# Altium PCB Magnetic-Sequencer.PcbDoc (part 1 of 3) (continued)
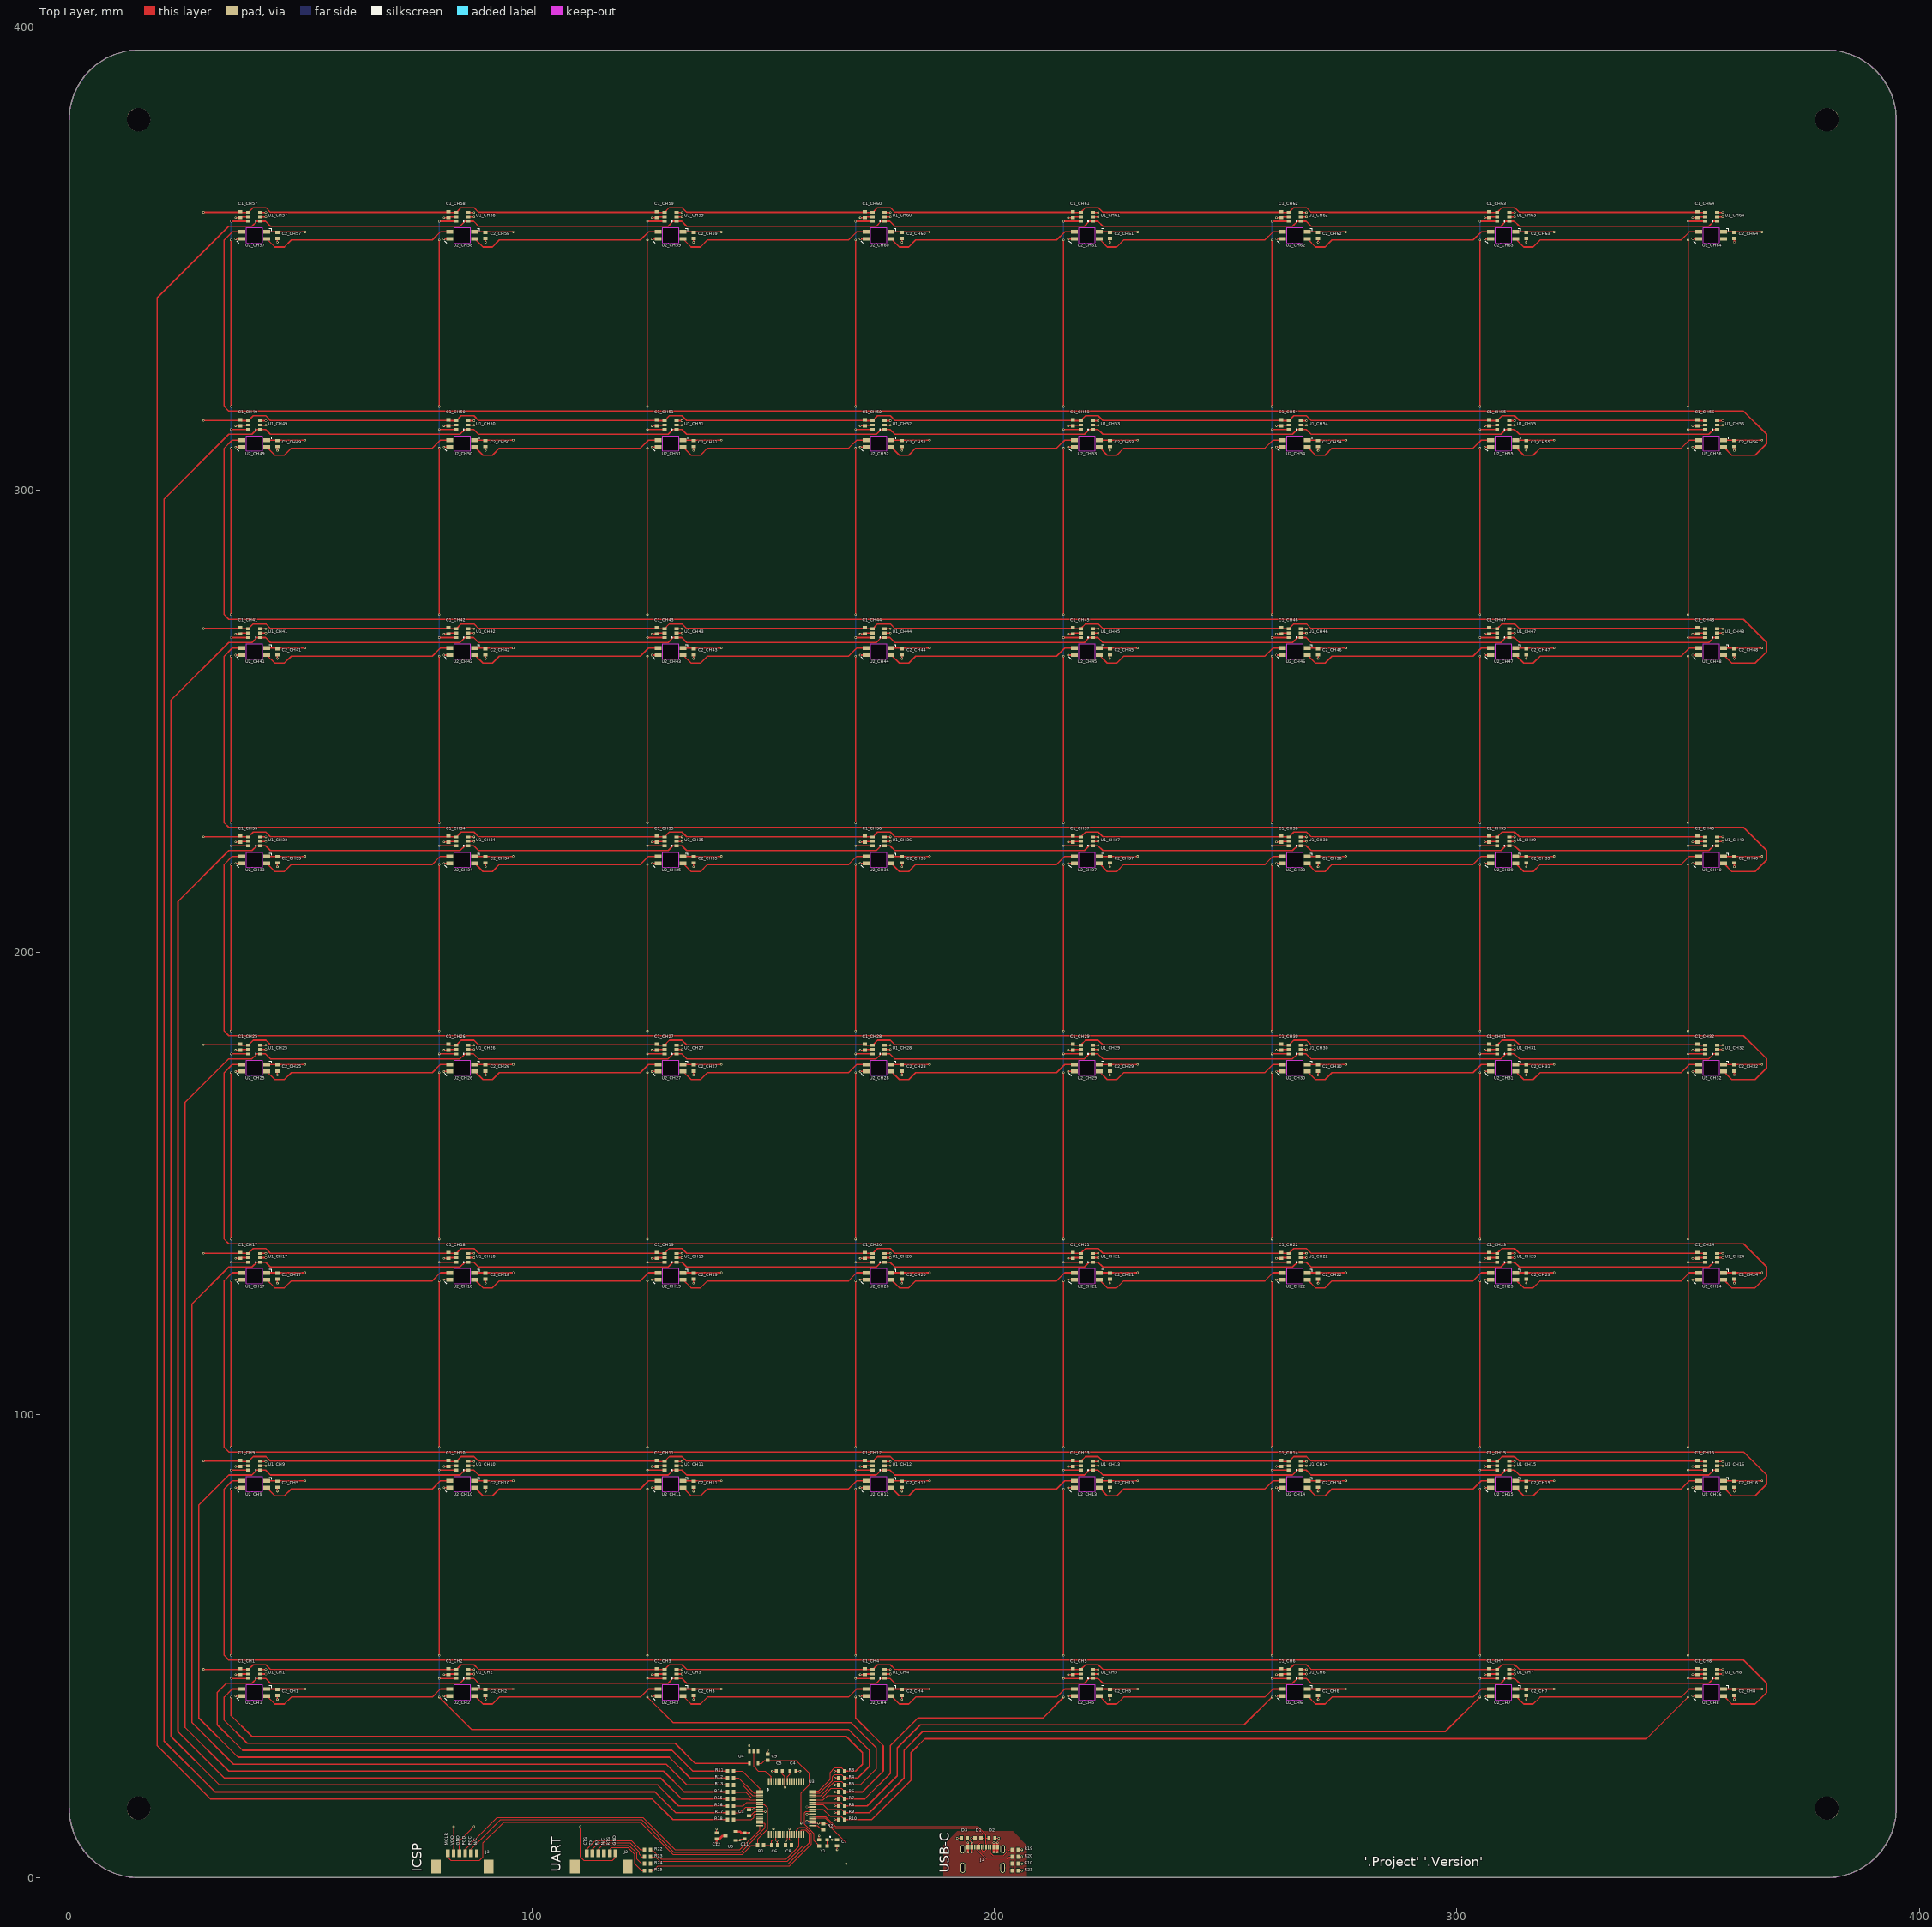
[diagram p0: Top Layer view]
## Design rules (kind name [scope] priority, off if disabled: settings) (continued)
RoomDefinition CH57 [InComponentClass('CH57')] p59: confinementstyle=ConfineIn formatcopy=TRUE lockcomponents=FALSE outline 30,350 70,350 70,390 30,390
RoomDefinition CH58 [InComponentClass('CH58')] p60: confinementstyle=ConfineIn formatcopy=TRUE lockcomponents=FALSE outline 75,350 115,350 115,390 75,390
RoomDefinition CH59 [InComponentClass('CH59')] p61: confinementstyle=ConfineIn formatcopy=TRUE lockcomponents=FALSE outline 120,350 160,350 160,390 120,390
RoomDefinition CH60 [InComponentClass('CH60')] p62: confinementstyle=ConfineIn formatcopy=TRUE lockcomponents=FALSE outline 165,350 205,350 205,390 165,390
RoomDefinition CH61 [InComponentClass('CH61')] p63: confinementstyle=ConfineIn formatcopy=TRUE lockcomponents=FALSE outline 210,350 250,350 250,390 210,390
RoomDefinition CH62 [InComponentClass('CH62')] p64: confinementstyle=ConfineIn formatcopy=TRUE lockcomponents=FALSE outline 255,350 295,350 295,390 255,390
RoomDefinition CH63 [InComponentClass('CH63')] p65: confinementstyle=ConfineIn formatcopy=TRUE lockcomponents=FALSE outline 300,350 340,350 340,390 300,390
RoomDefinition CH64 [InComponentClass('CH64')] p66: confinementstyle=ConfineIn formatcopy=TRUE lockcomponents=FALSE outline 345,350 385,350 385,390 345,390
RoomDefinition UART [InComponentClass('UART')] p67: confinementstyle=ConfineIn formatcopy=TRUE lockcomponents=FALSE outline 107.919,0 107.919,6.41 123.644,6.41 123.644,6.806 126.356,6.806 126.356,0.694 122.081,0.694 122.081,0
RoomDefinition ICSP [InComponentClass('ICSP')] p68: confinementstyle=ConfineIn formatcopy=TRUE lockcomponents=FALSE outline 77.919,0 77.919,6.41 92.081,6.41 92.081,0
RoomDefinition USB-C [InComponentClass('USB-C')] p69: confinementstyle=ConfineIn formatcopy=TRUE lockcomponents=FALSE outline 192.144,7.694 192.144,9.306 200.856,9.306 200.856,7.481 202.676,7.481 202.676,6.806 205.856,6.806 205.856,0.694 202.676,0.694 202.676,-0.254 192.324,-0.254 192.324,7.694
RoutingVias [All] p1: holewidth=0.3 width=0.5 viastyle="Through Hole" minholewidth=0.3 minwidth=0.5 maxholewidth=0.711 maxwidth=1.27
SilkToSolderMaskClearance [IsPad] p1: minsilkscreentomaskgap=0.15 clearancetoexposedcopper=TRUE
SolderMaskExpansion [All] p1: expansion=0.102 istentingtop=FALSE
Width [All] p1: maxlimit=3 minlimit=0.15 preferedwidth=0.15
25 further rules are at their usual default settings.

## Classes and differential pairs
channel class Dial: CH1 CH2 CH3 CH4 CH5 CH6 CH7 CH8 CH9 CH10 CH11 CH12 CH13 CH14 CH15 CH16 CH17 CH18 CH19 CH20 CH21 CH22 CH23 CH24 CH25 CH26 CH27 CH28 CH29 CH30 CH31 CH32 CH33 CH34 CH35 CH36 CH37 CH38 CH39 CH40 CH41 CH42 CH43 CH44 CH45 CH46 CH47 CH48 CH49 CH50 CH51 CH52 CH53 CH54 CH55 CH56 CH57 CH58 CH59 CH60 CH61 CH62 CH63 CH64
net class SDA[0..7]: SDA0 SDA1 SDA2 SDA3 SDA4 SDA5 SDA6 SDA7
net class SCL[0..7]: SCL0 SCL1 SCL2 SCL3 SCL4 SCL5 SCL6 SCL7
component class "3.3V Regulator": C11 C12 U5
component class USB-C: C10 D1 D2 D3 J1 R19 R20 R21
component class UART: J2 R22 R23 R24 R25
component class PIC32MX: C3 C4 C5 C6 C7 C8 C9 R1 R2 R3 R4 R5 R6 R7 R8 R9 R10 R11 R12 R13 R14 R15 R16 R17 R18 U3 U4 Y1
component class ICSP: J3
component class CH64: C1_CH64 C2_CH64 U1_CH64 U2_CH64
component class CH63: C1_CH63 C2_CH63 U1_CH63 U2_CH63
component class CH62: C1_CH62 C2_CH62 U1_CH62 U2_CH62
component class CH61: C1_CH61 C2_CH61 U1_CH61 U2_CH61
component class CH60: C1_CH60 C2_CH60 U1_CH60 U2_CH60
component class CH59: C1_CH59 C2_CH59 U1_CH59 U2_CH59
component class CH58: C1_CH58 C2_CH58 U1_CH58 U2_CH58
component class CH57: C1_CH57 C2_CH57 U1_CH57 U2_CH57
component class CH56: C1_CH56 C2_CH56 U1_CH56 U2_CH56
component class CH55: C1_CH55 C2_CH55 U1_CH55 U2_CH55
component class CH54: C1_CH54 C2_CH54 U1_CH54 U2_CH54
component class CH53: C1_CH53 C2_CH53 U1_CH53 U2_CH53
component class CH52: C1_CH52 C2_CH52 U1_CH52 U2_CH52
component class CH51: C1_CH51 C2_CH51 U1_CH51 U2_CH51
component class CH50: C1_CH50 C2_CH50 U1_CH50 U2_CH50
component class CH49: C1_CH49 C2_CH49 U1_CH49 U2_CH49
component class CH48: C1_CH48 C2_CH48 U1_CH48 U2_CH48
component class CH47: C1_CH47 C2_CH47 U1_CH47 U2_CH47
component class CH46: C1_CH46 C2_CH46 U1_CH46 U2_CH46
component class CH45: C1_CH45 C2_CH45 U1_CH45 U2_CH45
component class CH44: C1_CH44 C2_CH44 U1_CH44 U2_CH44
component class CH43: C1_CH43 C2_CH43 U1_CH43 U2_CH43
component class CH42: C1_CH42 C2_CH42 U1_CH42 U2_CH42
component class CH41: C1_CH41 C2_CH41 U1_CH41 U2_CH41
component class CH40: C1_CH40 C2_CH40 U1_CH40 U2_CH40
component class CH39: C1_CH39 C2_CH39 U1_CH39 U2_CH39
component class CH38: C1_CH38 C2_CH38 U1_CH38 U2_CH38
component class CH37: C1_CH37 C2_CH37 U1_CH37 U2_CH37
component class CH36: C1_CH36 C2_CH36 U1_CH36 U2_CH36
component class CH35: C1_CH35 C2_CH35 U1_CH35 U2_CH35
component class CH34: C1_CH34 C2_CH34 U1_CH34 U2_CH34
component class CH33: C1_CH33 C2_CH33 U1_CH33 U2_CH33
component class CH32: C1_CH32 C2_CH32 U1_CH32 U2_CH32
component class CH31: C1_CH31 C2_CH31 U1_CH31 U2_CH31
component class CH30: C1_CH30 C2_CH30 U1_CH30 U2_CH30
component class CH29: C1_CH29 C2_CH29 U1_CH29 U2_CH29
component class CH28: C1_CH28 C2_CH28 U1_CH28 U2_CH28
component class CH27: C1_CH27 C2_CH27 U1_CH27 U2_CH27
component class CH26: C1_CH26 C2_CH26 U1_CH26 U2_CH26
component class CH25: C1_CH25 C2_CH25 U1_CH25 U2_CH25
component class CH24: C1_CH24 C2_CH24 U1_CH24 U2_CH24
component class CH23: C1_CH23 C2_CH23 U1_CH23 U2_CH23
component class CH22: C1_CH22 C2_CH22 U1_CH22 U2_CH22
component class CH21: C1_CH21 C2_CH21 U1_CH21 U2_CH21
component class CH20: C1_CH20 C2_CH20 U1_CH20 U2_CH20
component class CH19: C1_CH19 C2_CH19 U1_CH19 U2_CH19
component class CH18: C1_CH18 C2_CH18 U1_CH18 U2_CH18
component class CH17: C1_CH17 C2_CH17 U1_CH17 U2_CH17
component class CH16: C1_CH16 C2_CH16 U1_CH16 U2_CH16
component class CH15: C1_CH15 C2_CH15 U1_CH15 U2_CH15
component class CH14: C1_CH14 C2_CH14 U1_CH14 U2_CH14
component class CH13: C1_CH13 C2_CH13 U1_CH13 U2_CH13
component class CH12: C1_CH12 C2_CH12 U1_CH12 U2_CH12
component class CH11: C1_CH11 C2_CH11 U1_CH11 U2_CH11
component class CH10: C1_CH10 C2_CH10 U1_CH10 U2_CH10
component class CH9: C1_CH9 C2_CH9 U1_CH9 U2_CH9
component class CH8: C1_CH8 C2_CH8 U1_CH8 U2_CH8
component class CH7: C1_CH7 C2_CH7 U1_CH7 U2_CH7
component class CH6: C1_CH6 C2_CH6 U1_CH6 U2_CH6
component class CH5: C1_CH5 C2_CH5 U1_CH5 U2_CH5
component class CH4: C1_CH4 C2_CH4 U1_CH4 U2_CH4
component class CH3: C1_CH3 C2_CH3 U1_CH3 U2_CH3
component class CH2: C1_CH2 C2_CH2 U1_CH2 U2_CH2
component class CH1: C1_CH1 C2_CH1 U1_CH1 U2_CH1
differential pair D: +D_P -D_N

## Components (designator, comment, footprint, x,y, rotation, side; value= is the part's Value field where it differs from the comment)
C1_CH1 "100nF" "Capacitor 0603" 37,44.5 r90 top (schematic designator C1)
C1_CH2 "100nF" "Capacitor 0603" 82,44.5 r90 top (schematic designator C1)
C1_CH3 "100nF" "Capacitor 0603" 127,44.5 r90 top (schematic designator C1)
C1_CH4 "100nF" "Capacitor 0603" 172,44.5 r90 top (schematic designator C1)
C1_CH5 "100nF" "Capacitor 0603" 217,44.5 r90 top (schematic designator C1)
C1_CH6 "100nF" "Capacitor 0603" 262,44.5 r90 top (schematic designator C1)
C1_CH7 "100nF" "Capacitor 0603" 307,44.5 r90 top (schematic designator C1)
C1_CH8 "100nF" "Capacitor 0603" 352,44.5 r90 top (schematic designator C1)
C1_CH9 "100nF" "Capacitor 0603" 37,89.5 r90 top (schematic designator C1)
C1_CH10 "100nF" "Capacitor 0603" 82,89.5 r90 top (schematic designator C1)
C1_CH11 "100nF" "Capacitor 0603" 127,89.5 r90 top (schematic designator C1)
C1_CH12 "100nF" "Capacitor 0603" 172,89.5 r90 top (schematic designator C1)
C1_CH13 "100nF" "Capacitor 0603" 217,89.5 r90 top (schematic designator C1)
C1_CH14 "100nF" "Capacitor 0603" 262,89.5 r90 top (schematic designator C1)
C1_CH15 "100nF" "Capacitor 0603" 307,89.5 r90 top (schematic designator C1)
C1_CH16 "100nF" "Capacitor 0603" 352,89.5 r90 top (schematic designator C1)
C1_CH17 "100nF" "Capacitor 0603" 37,134.5 r90 top (schematic designator C1)
C1_CH18 "100nF" "Capacitor 0603" 82,134.5 r90 top (schematic designator C1)
C1_CH19 "100nF" "Capacitor 0603" 127,134.5 r90 top (schematic designator C1)
C1_CH20 "100nF" "Capacitor 0603" 172,134.5 r90 top (schematic designator C1)
C1_CH21 "100nF" "Capacitor 0603" 217,134.5 r90 top (schematic designator C1)
C1_CH22 "100nF" "Capacitor 0603" 262,134.5 r90 top (schematic designator C1)
C1_CH23 "100nF" "Capacitor 0603" 307,134.5 r90 top (schematic designator C1)
C1_CH24 "100nF" "Capacitor 0603" 352,134.5 r90 top (schematic designator C1)
C1_CH25 "100nF" "Capacitor 0603" 37,179.5 r90 top (schematic designator C1)
C1_CH26 "100nF" "Capacitor 0603" 82,179.5 r90 top (schematic designator C1)
C1_CH27 "100nF" "Capacitor 0603" 127,179.5 r90 top (schematic designator C1)
C1_CH28 "100nF" "Capacitor 0603" 172,179.5 r90 top (schematic designator C1)
C1_CH29 "100nF" "Capacitor 0603" 217,179.5 r90 top (schematic designator C1)
C1_CH30 "100nF" "Capacitor 0603" 262,179.5 r90 top (schematic designator C1)
C1_CH31 "100nF" "Capacitor 0603" 307,179.5 r90 top (schematic designator C1)
C1_CH32 "100nF" "Capacitor 0603" 352,179.5 r90 top (schematic designator C1)
C1_CH33 "100nF" "Capacitor 0603" 37,224.5 r90 top (schematic designator C1)
C1_CH34 "100nF" "Capacitor 0603" 82,224.5 r90 top (schematic designator C1)
C1_CH35 "100nF" "Capacitor 0603" 127,224.5 r90 top (schematic designator C1)
C1_CH36 "100nF" "Capacitor 0603" 172,224.5 r90 top (schematic designator C1)
C1_CH37 "100nF" "Capacitor 0603" 217,224.5 r90 top (schematic designator C1)
C1_CH38 "100nF" "Capacitor 0603" 262,224.5 r90 top (schematic designator C1)
C1_CH39 "100nF" "Capacitor 0603" 307,224.5 r90 top (schematic designator C1)
C1_CH40 "100nF" "Capacitor 0603" 352,224.5 r90 top (schematic designator C1)
C1_CH41 "100nF" "Capacitor 0603" 37,269.5 r90 top (schematic designator C1)
C1_CH42 "100nF" "Capacitor 0603" 82,269.5 r90 top (schematic designator C1)
C1_CH43 "100nF" "Capacitor 0603" 127,269.5 r90 top (schematic designator C1)
C1_CH44 "100nF" "Capacitor 0603" 172,269.5 r90 top (schematic designator C1)
C1_CH45 "100nF" "Capacitor 0603" 217,269.5 r90 top (schematic designator C1)
C1_CH46 "100nF" "Capacitor 0603" 262,269.5 r90 top (schematic designator C1)
C1_CH47 "100nF" "Capacitor 0603" 307,269.5 r90 top (schematic designator C1)
C1_CH48 "100nF" "Capacitor 0603" 352,269.5 r90 top (schematic designator C1)
C1_CH49 "100nF" "Capacitor 0603" 37,314.5 r90 top (schematic designator C1)
C1_CH50 "100nF" "Capacitor 0603" 82,314.5 r90 top (schematic designator C1)
C1_CH51 "100nF" "Capacitor 0603" 127,314.5 r90 top (schematic designator C1)
C1_CH52 "100nF" "Capacitor 0603" 172,314.5 r90 top (schematic designator C1)
C1_CH53 "100nF" "Capacitor 0603" 217,314.5 r90 top (schematic designator C1)
C1_CH54 "100nF" "Capacitor 0603" 262,314.5 r90 top (schematic designator C1)
C1_CH55 "100nF" "Capacitor 0603" 307,314.5 r90 top (schematic designator C1)
C1_CH56 "100nF" "Capacitor 0603" 352,314.5 r90 top (schematic designator C1)
C1_CH57 "100nF" "Capacitor 0603" 37,359.5 r90 top (schematic designator C1)
C1_CH58 "100nF" "Capacitor 0603" 82,359.5 r90 top (schematic designator C1)
C1_CH59 "100nF" "Capacitor 0603" 127,359.5 r90 top (schematic designator C1)
C1_CH60 "100nF" "Capacitor 0603" 172,359.5 r90 top (schematic designator C1)
C1_CH61 "100nF" "Capacitor 0603" 217,359.5 r90 top (schematic designator C1)
C1_CH62 "100nF" "Capacitor 0603" 262,359.5 r90 top (schematic designator C1)
C1_CH63 "100nF" "Capacitor 0603" 307,359.5 r90 top (schematic designator C1)
C1_CH64 "100nF" "Capacitor 0603" 352,359.5 r90 top (schematic designator C1)
C2_CH1 "1uF" "Capacitor 0603" 45,40 r90 top (schematic designator C2)
C2_CH2 "1uF" "Capacitor 0603" 90,40 r90 top (schematic designator C2)
C2_CH3 "1uF" "Capacitor 0603" 135,40 r90 top (schematic designator C2)
C2_CH4 "1uF" "Capacitor 0603" 180,40 r90 top (schematic designator C2)
C2_CH5 "1uF" "Capacitor 0603" 225,40 r90 top (schematic designator C2)
C2_CH6 "1uF" "Capacitor 0603" 270,40 r90 top (schematic designator C2)
C2_CH7 "1uF" "Capacitor 0603" 315,40 r90 top (schematic designator C2)
C2_CH8 "1uF" "Capacitor 0603" 360,40 r90 top (schematic designator C2)
C2_CH9 "1uF" "Capacitor 0603" 45,85 r90 top (schematic designator C2)
C2_CH10 "1uF" "Capacitor 0603" 90,85 r90 top (schematic designator C2)
C2_CH11 "1uF" "Capacitor 0603" 135,85 r90 top (schematic designator C2)
C2_CH12 "1uF" "Capacitor 0603" 180,85 r90 top (schematic designator C2)
C2_CH13 "1uF" "Capacitor 0603" 225,85 r90 top (schematic designator C2)
C2_CH14 "1uF" "Capacitor 0603" 270,85 r90 top (schematic designator C2)
C2_CH15 "1uF" "Capacitor 0603" 315,85 r90 top (schematic designator C2)
C2_CH16 "1uF" "Capacitor 0603" 360,85 r90 top (schematic designator C2)
C2_CH17 "1uF" "Capacitor 0603" 45,130 r90 top (schematic designator C2)
C2_CH18 "1uF" "Capacitor 0603" 90,130 r90 top (schematic designator C2)
C2_CH19 "1uF" "Capacitor 0603" 135,130 r90 top (schematic designator C2)
C2_CH20 "1uF" "Capacitor 0603" 180,130 r90 top (schematic designator C2)
C2_CH21 "1uF" "Capacitor 0603" 225,130 r90 top (schematic designator C2)
C2_CH22 "1uF" "Capacitor 0603" 270,130 r90 top (schematic designator C2)
C2_CH23 "1uF" "Capacitor 0603" 315,130 r90 top (schematic designator C2)
C2_CH24 "1uF" "Capacitor 0603" 360,130 r90 top (schematic designator C2)
C2_CH25 "1uF" "Capacitor 0603" 45,175 r90 top (schematic designator C2)
C2_CH26 "1uF" "Capacitor 0603" 90,175 r90 top (schematic designator C2)
C2_CH27 "1uF" "Capacitor 0603" 135,175 r90 top (schematic designator C2)
C2_CH28 "1uF" "Capacitor 0603" 180,175 r90 top (schematic designator C2)
C2_CH29 "1uF" "Capacitor 0603" 225,175 r90 top (schematic designator C2)
C2_CH30 "1uF" "Capacitor 0603" 270,175 r90 top (schematic designator C2)
C2_CH31 "1uF" "Capacitor 0603" 315,175 r90 top (schematic designator C2)
C2_CH32 "1uF" "Capacitor 0603" 360,175 r90 top (schematic designator C2)
C2_CH33 "1uF" "Capacitor 0603" 45,220 r90 top (schematic designator C2)
C2_CH34 "1uF" "Capacitor 0603" 90,220 r90 top (schematic designator C2)
C2_CH35 "1uF" "Capacitor 0603" 135,220 r90 top (schematic designator C2)
C2_CH36 "1uF" "Capacitor 0603" 180,220 r90 top (schematic designator C2)
C2_CH37 "1uF" "Capacitor 0603" 225,220 r90 top (schematic designator C2)
C2_CH38 "1uF" "Capacitor 0603" 270,220 r90 top (schematic designator C2)
C2_CH39 "1uF" "Capacitor 0603" 315,220 r90 top (schematic designator C2)
C2_CH40 "1uF" "Capacitor 0603" 360,220 r90 top (schematic designator C2)
C2_CH41 "1uF" "Capacitor 0603" 45,265 r90 top (schematic designator C2)
C2_CH42 "1uF" "Capacitor 0603" 90,265 r90 top (schematic designator C2)
C2_CH43 "1uF" "Capacitor 0603" 135,265 r90 top (schematic designator C2)
C2_CH44 "1uF" "Capacitor 0603" 180,265 r90 top (schematic designator C2)
C2_CH45 "1uF" "Capacitor 0603" 225,265 r90 top (schematic designator C2)
C2_CH46 "1uF" "Capacitor 0603" 270,265 r90 top (schematic designator C2)
C2_CH47 "1uF" "Capacitor 0603" 315,265 r90 top (schematic designator C2)
C2_CH48 "1uF" "Capacitor 0603" 360,265 r90 top (schematic designator C2)
C2_CH49 "1uF" "Capacitor 0603" 45,310 r90 top (schematic designator C2)
C2_CH50 "1uF" "Capacitor 0603" 90,310 r90 top (schematic designator C2)
C2_CH51 "1uF" "Capacitor 0603" 135,310 r90 top (schematic designator C2)
C2_CH52 "1uF" "Capacitor 0603" 180,310 r90 top (schematic designator C2)
C2_CH53 "1uF" "Capacitor 0603" 225,310 r90 top (schematic designator C2)
C2_CH54 "1uF" "Capacitor 0603" 270,310 r90 top (schematic designator C2)
C2_CH55 "1uF" "Capacitor 0603" 315,310 r90 top (schematic designator C2)
C2_CH56 "1uF" "Capacitor 0603" 360,310 r90 top (schematic designator C2)
C2_CH57 "1uF" "Capacitor 0603" 45,355 r90 top (schematic designator C2)
C2_CH58 "1uF" "Capacitor 0603" 90,355 r90 top (schematic designator C2)
C2_CH59 "1uF" "Capacitor 0603" 135,355 r90 top (schematic designator C2)
C2_CH60 "1uF" "Capacitor 0603" 180,355 r90 top (schematic designator C2)
C2_CH61 "1uF" "Capacitor 0603" 225,355 r90 top (schematic designator C2)
C2_CH62 "1uF" "Capacitor 0603" 270,355 r90 top (schematic designator C2)
C2_CH63 "1uF" "Capacitor 0603" 315,355 r90 top (schematic designator C2)
C2_CH64 "1uF" "Capacitor 0603" 360,355 r90 top (schematic designator C2)
C3 "100nF" "Capacitor 0603" 147,14 r90 top
C4 "10uF" "Capacitor 0603" 156.5,23 r180 top
C5 "100nF" "Capacitor 0603" 153.5,23 r0 top
C6 "100nF" "Capacitor 0603" 152.5,7 r180 top
C7 "100nF" "Capacitor 0603" 166,7.5 r90 top
C8 "100nF" "Capacitor 0603" 155.5,7 r180 top
C9 "100nF" "Capacitor 0603" 151,26 r270 top
C10 "4.7nF" "Capacitor 0603" 204.5,3 r180 top
C11 "10uF" "Capacitor 0603" 146,9 r90 top
C12 "10uF" "Capacitor 0603" 140,9 r270 top
D1 "PGB1010603MR" "Diode TVS 0603" 196.5,8.5 r180 top
D2 "PGB1010603MR" "Diode TVS 0603" 199.5,8.5 r0 top
D3 "PGB1010603MR" "Diode TVS 0603" 193.5,8.5 r180 top
J1 "Molex 217179-0001" "Molex 217179-0001" 197.5,2.125 r0 top
J2 "Molex 53261-0671" "Molex 53261-0671" 115,5.254 r0 top
J3 "Molex 53261-0671" "Molex 53261-0671" 85,5.254 r0 top
R1 "5.1kR" "Resistor 0603" 149.5,7 r0 top
R2 "470R" "Resistor 0603" 163,11 r90 top
R3 "1.2kR" "Resistor 0603" 167,23 r180 top
R4 "1.2kR" "Resistor 0603" 167,21.5 r180 top
R5 "1.2kR" "Resistor 0603" 167,20 r180 top
R6 "1.2kR" "Resistor 0603" 167,18.5 r180 top
R7 "1.2kR" "Resistor 0603" 167,17 r180 top
R8 "1.2kR" "Resistor 0603" 167,15.5 r180 top
R9 "1.2kR" "Resistor 0603" 167,14 r180 top
R10 "1.2kR" "Resistor 0603" 167,12.5 r180 top
R11 "470R" "Resistor 0603" 143,23 r180 top
R12 "470R" "Resistor 0603" 143,21.5 r180 top
R13 "470R" "Resistor 0603" 143,20 r180 top
R14 "470R" "Resistor 0603" 143,18.5 r180 top
R15 "470R" "Resistor 0603" 143,17 r180 top
R16 "470R" "Resistor 0603" 143,15.5 r180 top
R17 "470R" "Resistor 0603" 143,14 r180 top
R18 "470R" "Resistor 0603" 143,12.5 r180 top
R19 "5.1kR" "Resistor 0603" 204.5,6 r180 top
R20 "5.1kR" "Resistor 0603" 204.5,4.5 r180 top
R21 "1MR" "Resistor 0603" 204.5,1.5 r0 top
R22 "470R" "Resistor 0603" 125,6 r0 top
R23 "470R" "Resistor 0603" 125,4.5 r0 top
R24 "470R" "Resistor 0603" 125,3 r0 top
R25 "470R" "Resistor 0603" 125,1.5 r0 top
U1_CH1 "TLV493DA1B6HTSA2" SOT-23-6 40,44 r90 top (schematic designator U1)
U1_CH2 "TLV493DA1B6HTSA2" SOT-23-6 85,44 r90 top (schematic designator U1)
U1_CH3 "TLV493DA1B6HTSA2" SOT-23-6 130,44 r90 top (schematic designator U1)
U1_CH4 "TLV493DA1B6HTSA2" SOT-23-6 175,44 r90 top (schematic designator U1)
U1_CH5 "TLV493DA1B6HTSA2" SOT-23-6 220,44 r90 top (schematic designator U1)
U1_CH6 "TLV493DA1B6HTSA2" SOT-23-6 265,44 r90 top (schematic designator U1)
U1_CH7 "TLV493DA1B6HTSA2" SOT-23-6 310,44 r90 top (schematic designator U1)
U1_CH8 "TLV493DA1B6HTSA2" SOT-23-6 355,44 r90 top (schematic designator U1)
U1_CH9 "TLV493DA1B6HTSA2" SOT-23-6 40,89 r90 top (schematic designator U1)
U1_CH10 "TLV493DA1B6HTSA2" SOT-23-6 85,89 r90 top (schematic designator U1)
U1_CH11 "TLV493DA1B6HTSA2" SOT-23-6 130,89 r90 top (schematic designator U1)
U1_CH12 "TLV493DA1B6HTSA2" SOT-23-6 175,89 r90 top (schematic designator U1)
U1_CH13 "TLV493DA1B6HTSA2" SOT-23-6 220,89 r90 top (schematic designator U1)
U1_CH14 "TLV493DA1B6HTSA2" SOT-23-6 265,89 r90 top (schematic designator U1)
U1_CH15 "TLV493DA1B6HTSA2" SOT-23-6 310,89 r90 top (schematic designator U1)
U1_CH16 "TLV493DA1B6HTSA2" SOT-23-6 355,89 r90 top (schematic designator U1)
U1_CH17 "TLV493DA1B6HTSA2" SOT-23-6 40,134 r90 top (schematic designator U1)
U1_CH18 "TLV493DA1B6HTSA2" SOT-23-6 85,134 r90 top (schematic designator U1)
U1_CH19 "TLV493DA1B6HTSA2" SOT-23-6 130,134 r90 top (schematic designator U1)
U1_CH20 "TLV493DA1B6HTSA2" SOT-23-6 175,134 r90 top (schematic designator U1)
U1_CH21 "TLV493DA1B6HTSA2" SOT-23-6 220,134 r90 top (schematic designator U1)
U1_CH22 "TLV493DA1B6HTSA2" SOT-23-6 265,134 r90 top (schematic designator U1)
U1_CH23 "TLV493DA1B6HTSA2" SOT-23-6 310,134 r90 top (schematic designator U1)
U1_CH24 "TLV493DA1B6HTSA2" SOT-23-6 355,134 r90 top (schematic designator U1)
U1_CH25 "TLV493DA1B6HTSA2" SOT-23-6 40,179 r90 top (schematic designator U1)
U1_CH26 "TLV493DA1B6HTSA2" SOT-23-6 85,179 r90 top (schematic designator U1)
U1_CH27 "TLV493DA1B6HTSA2" SOT-23-6 130,179 r90 top (schematic designator U1)
U1_CH28 "TLV493DA1B6HTSA2" SOT-23-6 175,179 r90 top (schematic designator U1)
U1_CH29 "TLV493DA1B6HTSA2" SOT-23-6 220,179 r90 top (schematic designator U1)
U1_CH30 "TLV493DA1B6HTSA2" SOT-23-6 265,179 r90 top (schematic designator U1)
U1_CH31 "TLV493DA1B6HTSA2" SOT-23-6 310,179 r90 top (schematic designator U1)
U1_CH32 "TLV493DA1B6HTSA2" SOT-23-6 355,179 r90 top (schematic designator U1)
U1_CH33 "TLV493DA1B6HTSA2" SOT-23-6 40,224 r90 top (schematic designator U1)
U1_CH34 "TLV493DA1B6HTSA2" SOT-23-6 85,224 r90 top (schematic designator U1)
U1_CH35 "TLV493DA1B6HTSA2" SOT-23-6 130,224 r90 top (schematic designator U1)
U1_CH36 "TLV493DA1B6HTSA2" SOT-23-6 175,224 r90 top (schematic designator U1)
U1_CH37 "TLV493DA1B6HTSA2" SOT-23-6 220,224 r90 top (schematic designator U1)
U1_CH38 "TLV493DA1B6HTSA2" SOT-23-6 265,224 r90 top (schematic designator U1)
U1_CH39 "TLV493DA1B6HTSA2" SOT-23-6 310,224 r90 top (schematic designator U1)
U1_CH40 "TLV493DA1B6HTSA2" SOT-23-6 355,224 r90 top (schematic designator U1)
U1_CH41 "TLV493DA1B6HTSA2" SOT-23-6 40,269 r90 top (schematic designator U1)
U1_CH42 "TLV493DA1B6HTSA2" SOT-23-6 85,269 r90 top (schematic designator U1)
U1_CH43 "TLV493DA1B6HTSA2" SOT-23-6 130,269 r90 top (schematic designator U1)
U1_CH44 "TLV493DA1B6HTSA2" SOT-23-6 175,269 r90 top (schematic designator U1)
U1_CH45 "TLV493DA1B6HTSA2" SOT-23-6 220,269 r90 top (schematic designator U1)
U1_CH46 "TLV493DA1B6HTSA2" SOT-23-6 265,269 r90 top (schematic designator U1)
U1_CH47 "TLV493DA1B6HTSA2" SOT-23-6 310,269 r90 top (schematic designator U1)
U1_CH48 "TLV493DA1B6HTSA2" SOT-23-6 355,269 r90 top (schematic designator U1)
U1_CH49 "TLV493DA1B6HTSA2" SOT-23-6 40,314 r90 top (schematic designator U1)
U1_CH50 "TLV493DA1B6HTSA2" SOT-23-6 85,314 r90 top (schematic designator U1)
U1_CH51 "TLV493DA1B6HTSA2" SOT-23-6 130,314 r90 top (schematic designator U1)
U1_CH52 "TLV493DA1B6HTSA2" SOT-23-6 175,314 r90 top (schematic designator U1)
U1_CH53 "TLV493DA1B6HTSA2" SOT-23-6 220,314 r90 top (schematic designator U1)
U1_CH54 "TLV493DA1B6HTSA2" SOT-23-6 265,314 r90 top (schematic designator U1)
U1_CH55 "TLV493DA1B6HTSA2" SOT-23-6 310,314 r90 top (schematic designator U1)
U1_CH56 "TLV493DA1B6HTSA2" SOT-23-6 355,314 r90 top (schematic designator U1)
U1_CH57 "TLV493DA1B6HTSA2" SOT-23-6 40,359 r90 top (schematic designator U1)
U1_CH58 "TLV493DA1B6HTSA2" SOT-23-6 85,359 r90 top (schematic designator U1)
U1_CH59 "TLV493DA1B6HTSA2" SOT-23-6 130,359 r90 top (schematic designator U1)
U1_CH60 "TLV493DA1B6HTSA2" SOT-23-6 175,359 r90 top (schematic designator U1)
U1_CH61 "TLV493DA1B6HTSA2" SOT-23-6 220,359 r90 top (schematic designator U1)
U1_CH62 "TLV493DA1B6HTSA2" SOT-23-6 265,359 r90 top (schematic designator U1)
U1_CH63 "TLV493DA1B6HTSA2" SOT-23-6 310,359 r90 top (schematic designator U1)
U1_CH64 "TLV493DA1B6HTSA2" SOT-23-6 355,359 r90 top (schematic designator U1)
U2_CH1 "SK6812MINI-E" SK6812MINI-E 40,40 r0 top (schematic designator U2)
U2_CH2 "SK6812MINI-E" SK6812MINI-E 85,40 r0 top (schematic designator U2)
U2_CH3 "SK6812MINI-E" SK6812MINI-E 130,40 r0 top (schematic designator U2)
U2_CH4 "SK6812MINI-E" SK6812MINI-E 175,40 r0 top (schematic designator U2)
U2_CH5 "SK6812MINI-E" SK6812MINI-E 220,40 r0 top (schematic designator U2)
U2_CH6 "SK6812MINI-E" SK6812MINI-E 265,40 r0 top (schematic designator U2)
U2_CH7 "SK6812MINI-E" SK6812MINI-E 310,40 r0 top (schematic designator U2)
U2_CH8 "SK6812MINI-E" SK6812MINI-E 355,40 r0 top (schematic designator U2)
U2_CH9 "SK6812MINI-E" SK6812MINI-E 40,85 r0 top (schematic designator U2)
U2_CH10 "SK6812MINI-E" SK6812MINI-E 85,85 r0 top (schematic designator U2)
U2_CH11 "SK6812MINI-E" SK6812MINI-E 130,85 r0 top (schematic designator U2)
U2_CH12 "SK6812MINI-E" SK6812MINI-E 175,85 r0 top (schematic designator U2)
U2_CH13 "SK6812MINI-E" SK6812MINI-E 220,85 r0 top (schematic designator U2)
U2_CH14 "SK6812MINI-E" SK6812MINI-E 265,85 r0 top (schematic designator U2)
U2_CH15 "SK6812MINI-E" SK6812MINI-E 310,85 r0 top (schematic designator U2)
U2_CH16 "SK6812MINI-E" SK6812MINI-E 355,85 r0 top (schematic designator U2)
U2_CH17 "SK6812MINI-E" SK6812MINI-E 40,130 r0 top (schematic designator U2)
U2_CH18 "SK6812MINI-E" SK6812MINI-E 85,130 r0 top (schematic designator U2)
U2_CH19 "SK6812MINI-E" SK6812MINI-E 130,130 r0 top (schematic designator U2)
U2_CH20 "SK6812MINI-E" SK6812MINI-E 175,130 r0 top (schematic designator U2)
U2_CH21 "SK6812MINI-E" SK6812MINI-E 220,130 r0 top (schematic designator U2)
U2_CH22 "SK6812MINI-E" SK6812MINI-E 265,130 r0 top (schematic designator U2)
U2_CH23 "SK6812MINI-E" SK6812MINI-E 310,130 r0 top (schematic designator U2)
U2_CH24 "SK6812MINI-E" SK6812MINI-E 355,130 r0 top (schematic designator U2)
U2_CH25 "SK6812MINI-E" SK6812MINI-E 40,175 r0 top (schematic designator U2)
U2_CH26 "SK6812MINI-E" SK6812MINI-E 85,175 r0 top (schematic designator U2)
U2_CH27 "SK6812MINI-E" SK6812MINI-E 130,175 r0 top (schematic designator U2)
U2_CH28 "SK6812MINI-E" SK6812MINI-E 175,175 r0 top (schematic designator U2)
U2_CH29 "SK6812MINI-E" SK6812MINI-E 220,175 r0 top (schematic designator U2)
U2_CH30 "SK6812MINI-E" SK6812MINI-E 265,175 r0 top (schematic designator U2)
U2_CH31 "SK6812MINI-E" SK6812MINI-E 310,175 r0 top (schematic designator U2)
U2_CH32 "SK6812MINI-E" SK6812MINI-E 355,175 r0 top (schematic designator U2)
U2_CH33 "SK6812MINI-E" SK6812MINI-E 40,220 r0 top (schematic designator U2)
U2_CH34 "SK6812MINI-E" SK6812MINI-E 85,220 r0 top (schematic designator U2)
U2_CH35 "SK6812MINI-E" SK6812MINI-E 130,220 r0 top (schematic designator U2)
U2_CH36 "SK6812MINI-E" SK6812MINI-E 175,220 r0 top (schematic designator U2)
U2_CH37 "SK6812MINI-E" SK6812MINI-E 220,220 r0 top (schematic designator U2)
U2_CH38 "SK6812MINI-E" SK6812MINI-E 265,220 r0 top (schematic designator U2)
U2_CH39 "SK6812MINI-E" SK6812MINI-E 310,220 r0 top (schematic designator U2)
U2_CH40 "SK6812MINI-E" SK6812MINI-E 355,220 r0 top (schematic designator U2)
U2_CH41 "SK6812MINI-E" SK6812MINI-E 40,265 r0 top (schematic designator U2)
U2_CH42 "SK6812MINI-E" SK6812MINI-E 85,265 r0 top (schematic designator U2)
U2_CH43 "SK6812MINI-E" SK6812MINI-E 130,265 r0 top (schematic designator U2)
U2_CH44 "SK6812MINI-E" SK6812MINI-E 175,265 r0 top (schematic designator U2)
U2_CH45 "SK6812MINI-E" SK6812MINI-E 220,265 r0 top (schematic designator U2)
U2_CH46 "SK6812MINI-E" SK6812MINI-E 265,265 r0 top (schematic designator U2)
U2_CH47 "SK6812MINI-E" SK6812MINI-E 310,265 r0 top (schematic designator U2)
U2_CH48 "SK6812MINI-E" SK6812MINI-E 355,265 r0 top (schematic designator U2)
U2_CH49 "SK6812MINI-E" SK6812MINI-E 40,310 r0 top (schematic designator U2)
U2_CH50 "SK6812MINI-E" SK6812MINI-E 85,310 r0 top (schematic designator U2)
U2_CH51 "SK6812MINI-E" SK6812MINI-E 130,310 r0 top (schematic designator U2)
U2_CH52 "SK6812MINI-E" SK6812MINI-E 175,310 r0 top (schematic designator U2)
U2_CH53 "SK6812MINI-E" SK6812MINI-E 220,310 r0 top (schematic designator U2)
U2_CH54 "SK6812MINI-E" SK6812MINI-E 265,310 r0 top (schematic designator U2)
U2_CH55 "SK6812MINI-E" SK6812MINI-E 310,310 r0 top (schematic designator U2)
U2_CH56 "SK6812MINI-E" SK6812MINI-E 355,310 r0 top (schematic designator U2)
U2_CH57 "SK6812MINI-E" SK6812MINI-E 40,355 r0 top (schematic designator U2)
U2_CH58 "SK6812MINI-E" SK6812MINI-E 85,355 r0 top (schematic designator U2)
U2_CH59 "SK6812MINI-E" SK6812MINI-E 130,355 r0 top (schematic designator U2)
U2_CH60 "SK6812MINI-E" SK6812MINI-E 175,355 r0 top (schematic designator U2)
U2_CH61 "SK6812MINI-E" SK6812MINI-E 220,355 r0 top (schematic designator U2)
U2_CH62 "SK6812MINI-E" SK6812MINI-E 265,355 r0 top (schematic designator U2)
U2_CH63 "SK6812MINI-E" SK6812MINI-E 310,355 r0 top (schematic designator U2)
U2_CH64 "SK6812MINI-E" SK6812MINI-E 355,355 r0 top (schematic designator U2)
U3 "PIC32MX470F512H-I/PT" TQFP-64 155,15 r0 top
U4 "SN74LV1T34DBV" SOT-23-5 148,26 r180 top
U5 "TPS7A0533PDBZ" SOT-23 143,9 r270 top
Y1 "ECS-2520MV-240-BL-TR" ECS-2520MV-240-BL-TR 163,7.5 r180 top

## Footprints (in the part's own frame and the unit in brackets; to place one, negate y for a bottom-side part, rotate by r counter-clockwise, add the part's x,y. Pads: shape width x height; smd on the part's side, far side on the other; paste and mask are expansions set on the pad)
"Capacitor 0603" [mm]
  rect 0.7x0.9 smd: 1(-0.65,0) 2(0.65,0)
  body extent -0.8,-0.4 0.8,0.4, height 0.78
"Diode TVS 0603" [mm]
  rect 0.7x0.9 smd: 1(-0.65,0) 2(0.65,0)
  body extent -0.83,-0.42 0.83,0.42, height 0.36
ECS-2520MV-240-BL-TR [mm]
  rect 0.78x0.68 smd: 1(-0.865,-0.665) 2(0.865,-0.665) 3(0.865,0.665) 4(-0.865,0.665)
  silkscreen extent -1.6,-1.4 -1.4,-1.2, body extent -1.25,-1 1.25,1, height 0.82
"Molex 53261-0671" [mm]
  rect 0.8x1.6 smd: 1(-3.125,0) 2(-1.875,0) 3(-0.625,0) 4(0.625,0) 5(1.875,0) 6(3.125,0)
  rect 2.1x3 smd: "Fitting Nail"(-5.675,-2.9) "Fitting Nail"(5.675,-2.9)
  body extent -6.32,-5 6.32,0.2, height 3.38
"Molex 217179-0001" [mm]
  rect 0.6x1 smd: "A1 B12"(-3.2,4.5) "A4 B9"(-2.35,4.5) "B1 A12"(3.2,4.5) "B4 A9"(2.4,4.5)
  rect 0.3x1 smd: A5(-1.25,4.5) A6(-0.25,4.5) A7(0.25,4.5) A8(1.25,4.5) B5(1.75,4.5) B6(0.75,4.5) B7(-0.75,4.5) B8(-1.75,4.5)
  oval 1x2.2 hole 0.6 slot 1.8 at 90 deg: Shell(-4.32,0) Shell(4.32,0)
  oval 1x1.8 hole 0.6 slot 1.4 at 90 deg: Shell(-4.32,4) Shell(4.32,4)
  body extent -4.47,-2.13 4.47,4.63, height 3.27
"Resistor 0603" [mm]
  rect 0.7x0.9 smd: 1(-0.65,0) 2(0.65,0)
  body extent -0.8,-0.42 0.84,0.43, height 0.44
SK6812MINI-E [mm]
  rect 1.5x0.82 smd: 1(2.7,0.75) 2(2.7,-0.75) 3(-2.7,-0.75) 4(-2.7,0.75)
  Keep-Out Layer board cut-out: -1.8,-1.6 1.8,-1.6 1.8,1.6 -1.8,1.6
  silkscreen extent -3.88,-1.63 3.75,1.5, body extent -2.94,-1.4 2.94,1.4, height 0.94
SOT-23 [mm]
  rect 0.6x0.9 smd: 1(0.95,1.1) 2(-0.95,1.1) 3(0,-1.1)
  body extent -1.5,-1.25 1.5,1.25, height 1.06
SOT-23-5 [mm]
  rect 0.6x0.9 smd: 1(-0.95,-1.3) 2(0,-1.3) 3(0.95,-1.3) 4(0.95,1.3) 5(-0.95,1.3)
  body extent -1.45,-1.41 1.45,1.41, height 1.45
SOT-23-6 [mm]
  rect 0.6x0.9 smd: 1(-0.95,-1.3) 2(0,-1.3) 3(0.95,-1.3) 4(0.95,1.3) 5(0,1.3) 6(-0.95,1.3)
  silkscreen extent -1.05,-0.4 -0.85,-0.2, body extent -1.4,-1.21 1.39,1.21, height 1.09
TQFP-64 [mm]
  rect 1.5x0.3 smd: 1(-5.7,3.75) 2(-5.7,3.25) 3(-5.7,2.75) 4(-5.7,2.25) 5(-5.7,1.75) 6(-5.7,1.25) 7(-5.7,0.75) 8(-5.7,0.25) 9(-5.7,-0.25) 10(-5.7,-0.75) 11(-5.7,-1.25) 12(-5.7,-1.75) 13(-5.7,-2.25) 14(-5.7,-2.75) 15(-5.7,-3.25) 16(-5.7,-3.75) 33(5.7,-3.75) 34(5.7,-3.25) 35(5.7,-2.75) 36(5.7,-2.25) 37(5.7,-1.75) 38(5.7,-1.25) 39(5.7,-0.75) 40(5.7,-0.25) 41(5.7,0.25) 42(5.7,0.75) 43(5.7,1.25) 44(5.7,1.75) 45(5.7,2.25) 46(5.7,2.75) 47(5.7,3.25) 48(5.7,3.75)
  rect 0.3x1.5 smd: 17(-3.75,-5.7) 18(-3.25,-5.7) 19(-2.75,-5.7) 20(-2.25,-5.7) 21(-1.75,-5.7) 22(-1.25,-5.7) 23(-0.75,-5.7) 24(-0.25,-5.7) 25(0.25,-5.7) 26(0.75,-5.7) 27(1.25,-5.7) 28(1.75,-5.7) 29(2.25,-5.7) 30(2.75,-5.7) 31(3.25,-5.7) 32(3.75,-5.7) 49(3.75,5.7) 50(3.25,5.7) 51(2.75,5.7) 52(2.25,5.7) 53(1.75,5.7) 54(1.25,5.7) 55(0.75,5.7) 56(0.25,5.7) 57(-0.25,5.7) 58(-0.75,5.7) 59(-1.25,5.7) 60(-1.75,5.7) 61(-2.25,5.7) 62(-2.75,5.7) 63(-3.25,5.7) 64(-3.75,5.7)
  silkscreen extent -4.2,3.8 -3.8,4.2, body extent -6.05,-6.05 6.05,6.05, height 1.2